# KiCad board phase-control.kicad_pcb (continued)
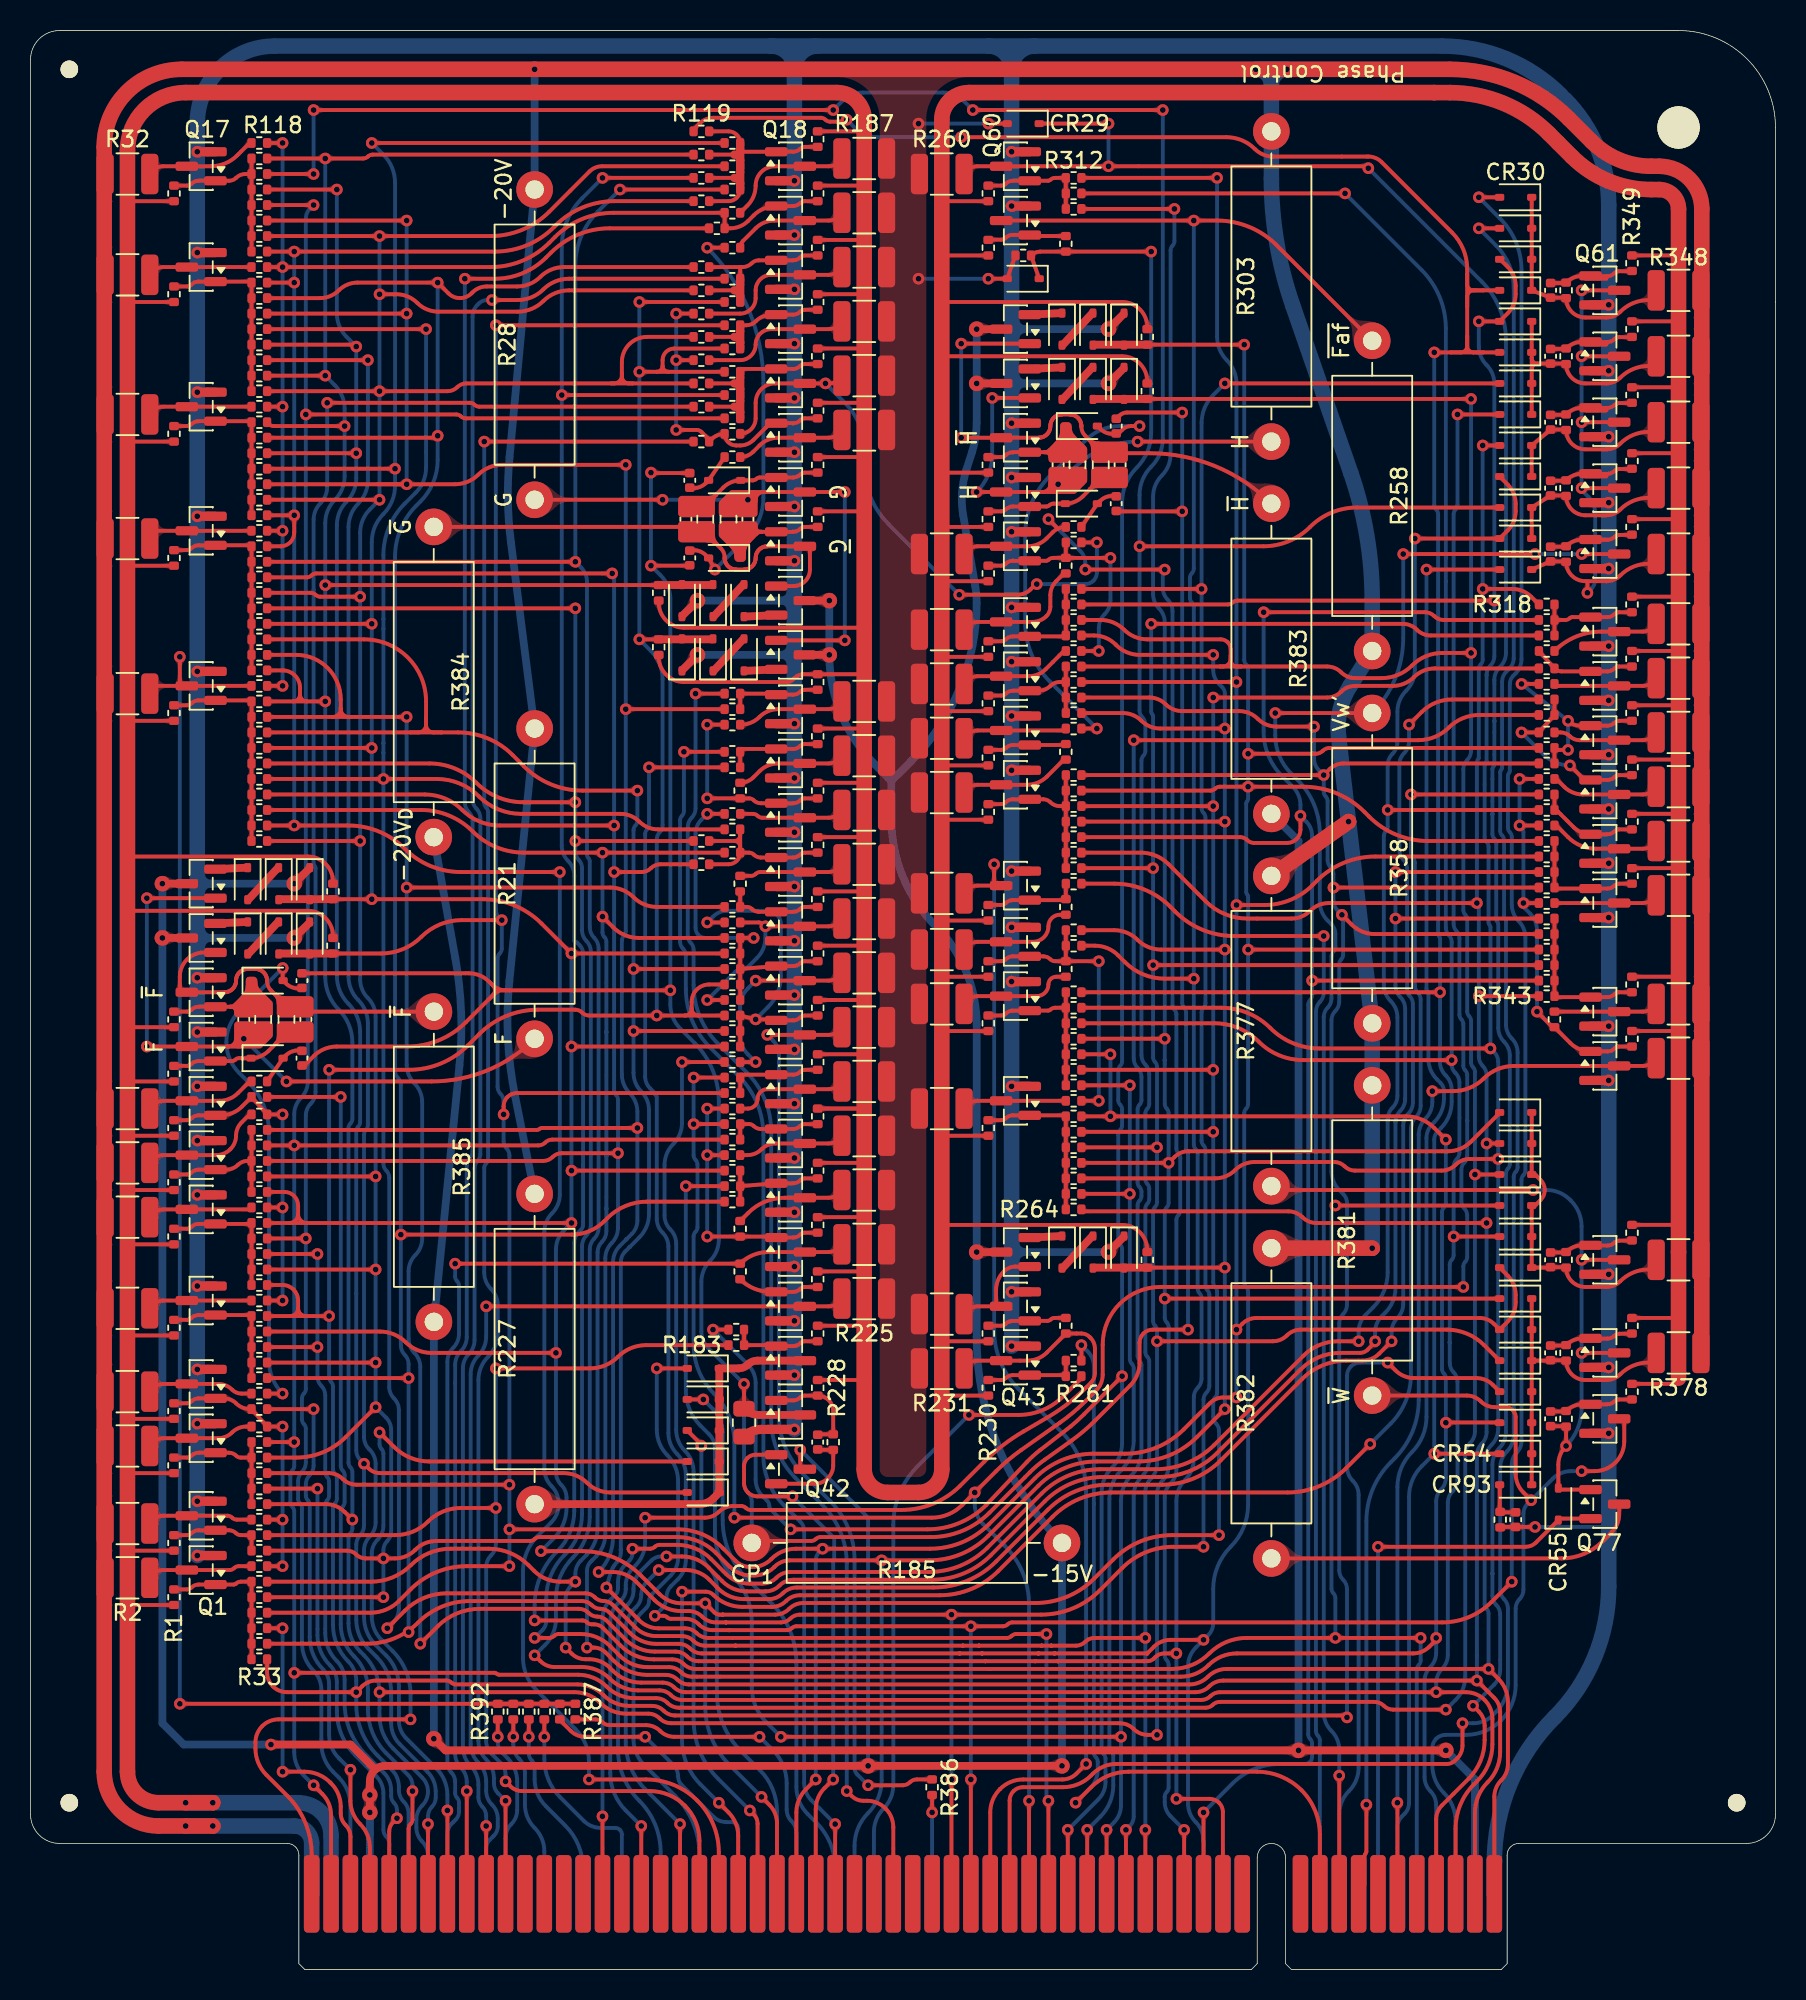
[diagram p0: board, top side]
## Routing (per net, layer and track width the routed paths; a pad name or vN(x,y) marks a point on that pad's centre or on a via; arc(x,y) is an arc through that point) (continued)
G: length 377.9
  Top w0.254: R165.1 44.45,64.52 arc(43.64,64.18) 43.31,63.37 43.31,62.93 ; 43.31,62.93 arc(43.44,62.61) 43.75,62.48 ; 43.31,62.93 arc(43.18,62.61) 42.86,62.48 ; 43.75,62.48 42.86,62.48 ; 43.75,62.48 R167.1 ; 42.86,62.48 v1(41.02,62.48) 36.59,62.48 arc(36.34,62.53) 36.13,62.67 arc(35.92,62.82) 35.67,62.86 33.24,62.86 arc(31.16,62.45) 29.39,61.27 28.64,60.52 arc(26.88,59.34) 24.8,58.93 v1(19.56,58.93) ; v1(84.07,81.41) 81.62,81.41 arc(80.95,81.54) 80.39,81.91 arc(79.83,82.29) 79.16,82.42 75.43,82.42 arc(74.85,82.54) 74.36,82.87 arc(73.87,83.2) 73.29,83.31 R294.1 ; R201.1 39.88,87.12 ; R136.1 42.16,106.17 arc(41.63,105.95) 41.4,105.41 41.4,105.03 ; v1(85.34,70.87) R336.1 ; 41.78,104.65 R138.1 ; 41.78,104.65 41.02,104.65 ; 41.78,104.65 arc(41.51,104.76) 41.4,105.03 ; R339.1 88.05,67.82 arc(87.23,67.98) 86.53,68.45 v1(85.9,69.08) ; 41.02,104.65 v1(39.88,104.65) ; 41.02,104.65 arc(41.29,104.76) 41.4,105.03 ; 18.03,42.8 v1(19.56,42.8) ; 18.03,42.8 17.02,42.8 ; 18.03,42.8 arc(17.67,42.95) 17.53,43.31 ; 17.02,42.8 R55.1 ; 17.02,42.8 arc(17.38,42.95) 17.53,43.31 ; R57.1 16.51,44.83 arc(17.23,44.53) 17.53,43.81 17.53,43.31 ; v1(39.88,109.22) R132.1 ; R290.1 v1(84.71,78.23) 85.09,78.61 arc(85.51,78.89) 86.01,78.99 R328.1 ; v1(86.23,16.51) 86.17,16.57 arc(86.1,16.62) 86.02,16.64 42.23,16.64 arc(41.82,16.72) 41.47,16.95 arc(41.12,17.18) 40.71,17.26 39.23,17.26 arc(38.31,17.45) 37.53,17.97 arc(36.75,18.49) 35.83,18.67 27.86,18.67 arc(27.7,18.7) 27.56,18.8 arc(27.42,18.89) 27.25,18.92 22.64,18.92 arc(22.14,18.83) 21.72,18.54 v1(21.34,18.16) 16.79,18.16 arc(16.29,18.26) 15.88,18.54 arc(15.59,18.96) 15.5,19.46 R33.1
  Top w0.508: R201.1 44.63,87.12
  Bottom w0.254: v1(41.02,62.48) 41.02,74.03 arc(41.07,74.27) 41.21,74.49 arc(41.35,74.7) 41.4,74.95 41.4,84.52 arc(41.2,85.52) 40.64,86.36 v1(39.88,87.12) v1(39.88,104.65) v1(39.88,109.22) ; v1(19.56,58.93) v1(19.56,42.8) 19.56,38.8 arc(19.59,38.63) 19.69,38.49 arc(19.78,38.35) 19.81,38.18 19.81,32.78 arc(19.85,32.61) 19.94,32.47 arc(20.03,32.33) 20.07,32.16 20.07,30.83 arc(20.03,30.66) 19.94,30.52 arc(19.85,30.38) 19.81,30.22 19.81,22.59 arc(20.07,21.28) 20.81,20.17 arc(21.2,19.59) 21.34,18.91 v1(21.34,18.16) 21.34,17.37 arc(21.7,15.56) 22.73,14.02 23.67,13.08 arc(24.01,12.56) 24.13,11.96 24.13,11.75 arc(24.21,11.34) 24.45,10.99 arc(24.68,10.63) 24.77,10.22 24.77,4.95 ; v1(84.07,81.41) 84.07,79.32 arc(84.16,78.9) 84.39,78.55 v1(84.71,78.23) 84.71,77.14 arc(84.74,76.98) 84.84,76.83 arc(84.93,76.69) 84.96,76.53 84.96,72.66 arc(85.01,72.41) 85.15,72.2 arc(85.29,71.99) 85.34,71.74 v1(85.34,70.87) 85.34,70.03 arc(85.42,69.66) 85.62,69.36 v1(85.9,69.08) 85.94,69.04 arc(85.97,69) 85.98,68.94 85.98,66.46 arc(85.95,66.3) 85.85,66.16 arc(85.76,66.02) 85.72,65.85 85.72,63.39 arc(85.66,63.06) 85.47,62.78 arc(85.28,62.5) 85.22,62.17 85.22,52.28 arc(85.35,51.62) 85.73,51.05 85.99,50.79 arc(86.17,50.52) 86.23,50.21 86.23,49.83 86.23,43.54 arc(86.17,43.21) 85.98,42.93 arc(85.79,42.64) 85.73,42.31 85.73,26.14 arc(85.79,25.81) 85.98,25.53 arc(86.17,25.25) 86.23,24.91 v1(86.23,16.51)
Ga: length 153.1
  Top w0.254: v1(21.34,99.31) R98.1 ; v1(26.03,9.52) 26.03,4.95 ; v1(20.07,116.59) R115.1 ; R105.1 21.12,106.43 arc(21.2,106.41) 21.27,106.36 v1(21.34,106.3) ; v1(21.84,33.13) 22.15,32.82 arc(22.49,32.59) 22.89,32.51 34.92,32.51 arc(35.75,32.35) 36.45,31.88 arc(37.15,31.41) 37.98,31.24 CR59.2
  Bottom w0.254: v1(26.03,9.52) 26.03,10.04 arc(26.1,10.37) 26.29,10.65 arc(26.48,10.93) 26.54,11.26 26.54,11.65 arc(26.41,12.35) 26.01,12.93 24.19,14.76 arc(23.77,15.38) 23.62,16.12 23.62,18.18 arc(23.38,19.42) 22.67,20.47 22.12,21.02 arc(21.54,21.89) 21.34,22.92 21.34,27.83 arc(21.4,28.17) 21.59,28.45 arc(21.78,28.73) 21.84,29.06 v1(21.84,33.13) 21.59,33.38 arc(21.4,33.66) 21.34,33.99 21.34,44.27 21.34,54.89 arc(21.37,55.06) 21.46,55.2 arc(21.56,55.34) 21.59,55.51 21.59,61.41 arc(21.39,62.4) 20.83,63.25 arc(20.26,64.09) 20.07,65.08 20.07,94.61 arc(20.23,95.44) 20.7,96.14 arc(21.17,96.84) 21.34,97.67 v1(21.34,99.31) v1(21.34,106.3) 20.7,106.93 arc(20.23,107.64) 20.07,108.47 v1(20.07,116.59)
Gb: length 121.7
  Top w0.254: v1(30.23,109.35) 31.91,109.35 arc(32.82,109.53) 33.59,110.05 arc(34.37,110.56) 35.28,110.74 R130.1 ; v1(29.84,9.4) 29.84,4.95
  Bottom w0.254: v1(30.23,109.35) 29.91,109.35 arc(29.62,109.29) 29.37,109.12 29.27,109.03 arc(29.04,108.68) 28.96,108.26 28.96,76.64 arc(29.02,76.31) 29.21,76.03 arc(29.4,75.75) 29.46,75.42 29.46,53.4 arc(29.41,53.15) 29.27,52.94 arc(29.13,52.73) 29.08,52.48 29.08,41.22 arc(28.98,40.72) 28.7,40.3 arc(28.42,39.88) 28.32,39.38 28.32,14.56 arc(28.45,13.9) 28.83,13.33 arc(29.2,12.77) 29.34,12.11 29.34,11.28 arc(29.4,10.95) 29.59,10.67 arc(29.78,10.39) 29.84,10.05 v1(29.84,9.4)
H: length 403.3
  Top w0.254: R299.1 70.09,88.39 arc(70.92,88.23) 71.63,87.76 arc(72.33,87.29) 73.16,87.12 77.96,87.12 arc(78.21,87.07) 78.42,86.93 arc(78.56,86.72) 78.61,86.47 78.61,86.04 ; 78.61,86.04 78.61,85.85 arc(78.47,85.49) 78.11,85.34 77.91,85.34 ; 78.61,86.04 78.61,85.76 arc(78.73,85.46) 79.02,85.34 79.31,85.34 ; 79.31,85.34 77.91,85.34 ; 79.31,85.34 84.93,85.34 arc(85.43,85.24) 85.85,84.96 arc(86.27,84.68) 86.77,84.58 88.49,84.58 arc(89.57,84.8) 90.49,85.41 arc(91.4,86.02) 92.48,86.23 v1(94.36,86.23) ; 77.91,85.34 R296.1 ; v1(18.54,12.06) 19.11,11.49 arc(19.54,10.86) 19.69,10.11 19.69,4.95 ; v1(18.03,101.85) 27.89,101.85 arc(28.05,101.82) 28.19,101.73 arc(28.33,101.63) 28.5,101.6 R142.1 ; R175.1 34.18,54.36 arc(33.93,54.31) 33.72,54.17 arc(33.51,54.02) 33.26,53.97 v1(17.27,53.97) R66.1 ; v1(18.54,115.57) R114.1 ; R255.1 94.36,102.87 arc(94.36,102.87) 94.36,102.87 v1(94.36,102.87) ; v1(17.27,34.54) R47.1 ; v1(92.71,17.02) 89.26,17.02 arc(88.93,17.08) 88.65,17.27 arc(88.36,17.46) 88.03,17.53 77.9,17.53 arc(77.65,17.48) 77.44,17.34 arc(77.23,17.19) 76.98,17.15 42.48,17.15 arc(42.07,17.23) 41.72,17.46 arc(41.38,17.69) 40.97,17.77 39.57,17.77 arc(38.57,17.97) 37.72,18.54 arc(36.87,19.1) 35.87,19.3 30.7,19.3 arc(30.61,19.32) 30.54,19.37 arc(30.47,19.42) 30.39,19.43 17.28,19.43 arc(17.27,19.43) v1(17.27,19.43) ; v1(94.61,52.07) CR45.2
  Top w0.508: R255.1 69.67,102.87
  Bottom w0.254: v1(92.71,17.02) 93.35,17.65 arc(93.81,18.36) 93.98,19.19 93.98,33.71 arc(94.06,34.13) 94.3,34.48 arc(94.53,34.83) 94.61,35.25 v1(94.61,52.07) 94.61,58.79 arc(94.58,58.96) 94.49,59.1 arc(94.39,59.24) 94.36,59.41 94.36,62.13 arc(94.33,62.3) 94.23,62.44 arc(94.14,62.58) 94.11,62.75 94.11,68.78 arc(94.07,68.95) 93.98,69.09 arc(93.89,69.23) 93.85,69.39 93.85,78.61 arc(93.92,78.94) 94.11,79.22 arc(94.29,79.5) 94.36,79.83 v1(94.36,86.23) v1(94.36,102.87) ; v1(18.54,115.57) 18.29,115.32 arc(18.1,115.03) 18.03,114.7 v1(18.03,101.85) 18.03,72.23 arc(18.05,72.14) 18.1,72.07 arc(18.14,72) 18.16,71.92 18.16,58.16 arc(18.05,57.58) 17.72,57.09 arc(17.39,56.59) 17.27,56.01 v1(17.27,53.97) v1(17.27,34.54) 17.27,32.99 arc(17.24,32.82) 17.14,32.68 arc(17.05,32.54) 17.02,32.37 17.02,30.62 arc(17.05,30.45) 17.14,30.31 arc(17.24,30.17) 17.27,30.01 v1(17.27,19.43) 17.27,14.23 arc(17.44,13.4) 17.91,12.7 v1(18.54,12.06)
ia: length 36.2
  Top w0.254: v1(44.07,37.34) CR57.2
  Bottom w0.254: v1(44.07,37.34) 44.7,36.7 arc(45.17,36) 45.34,35.17 45.34,29.43 arc(45.75,27.35) 46.93,25.58 48.57,23.95 arc(49.75,22.18) 50.16,20.1 50.16,11.97 arc(50.36,11) 50.91,10.18 51.49,9.59 arc(52.39,8.25) 52.7,6.67 52.7,4.95
K: length 329.6
  Top w0.254: R67.1 33.18,54.99 arc(33.27,55.01) 33.34,55.05 arc(33.41,55.1) 33.49,55.12 v1(39.75,55.12) ; 45.55,22.73 44.9,22.73 arc(44.41,22.83) 44,23.1 arc(43.59,23.38) 43.1,23.48 42.61,23.48 arc(41.67,23.66) 40.87,24.2 39.68,25.39 arc(38.96,25.87) 38.12,26.03 v1(37.21,26.03) ; 45.55,22.73 45.55,22.73 ; 45.55,22.73 45.55,22.73 ; 45.55,22.73 45.55,22.73 ; 45.55,22.73 arc(45.55,22.73) 45.55,22.73 ; 22.73,97.28 R96.1 ; 22.73,97.28 24,97.28 ; 22.73,97.28 24,97.28 ; v1(24.64,114.55) R113.1 ; v1(78.23,103.89) CR36.2 ; v1(38.99,82.55) R149.1 ; 24,97.28 v1(24.64,97.28) ; 24,97.28 27.8,97.28 arc(28.63,97.45) 29.34,97.92 arc(30.04,98.39) 30.87,98.55 v1(38.99,98.55) ; v1(76.71,90.42) R301.1 ; v1(76.83,27.69) 74.87,27.69 arc(73.05,27.32) 71.51,26.29 70.05,24.83 arc(68.28,23.66) 66.2,23.24 v1(60.33,23.24) 50.39,23.24 arc(50.06,23.17) 49.78,22.99 arc(49.5,22.8) 49.16,22.73 45.55,22.73 ; v1(60.33,12.45) 60.33,4.95 ; v1(24.64,108.46) R107.1
  Bottom w0.254: v1(24.64,108.46) v1(24.64,114.55) ; v1(24.64,108.46) v1(24.64,97.28) ; v1(24.64,108.46) 24.64,108.33 ; v1(78.23,103.89) 77.47,103.12 arc(76.91,102.28) 76.71,101.28 v1(76.71,90.42) 76.71,76.06 arc(76.74,75.9) 76.83,75.76 arc(76.93,75.62) 76.96,75.45 76.96,63.3 arc(76.93,63.13) 76.83,62.99 arc(76.74,62.85) 76.71,62.69 76.71,54.28 arc(76.74,54.12) 76.83,53.97 arc(76.93,53.83) 76.96,53.67 76.96,44.8 arc(77,44.63) 77.09,44.49 arc(77.18,44.35) 77.22,44.19 77.22,38.24 arc(77.17,37.99) 77.03,37.78 arc(76.88,37.57) 76.83,37.32 v1(76.83,27.69) ; v1(60.33,23.24) v1(60.33,12.45) ; v1(38.99,98.55) v1(38.99,82.55) 38.99,68 arc(38.96,67.83) 38.86,67.69 arc(38.77,67.55) 38.73,67.38 38.73,58.63 arc(38.87,57.97) 39.24,57.4 arc(39.62,56.84) 39.75,56.18 v1(39.75,55.12) 39.75,49.05 arc(39.66,48.58) 39.39,48.18 38.59,47.39 arc(38.27,46.9) 38.16,46.33 38.16,28.32 arc(37.91,27.08) v1(37.21,26.03) 37.21,26.12 arc(37.23,26.2) 37.27,26.26
K': length 78.2
  Top w0.254: v1(69.14,13.46) 68.51,12.83 arc(68.09,12.55) 67.59,12.45 65.02,12.45 arc(64.2,12.28) 63.51,11.82 63.5,11.81 arc(63.03,11.11) 62.86,10.28 62.86,4.95 ; Q49.3 62.02,70.99 arc(61.69,70.93) 61.41,70.74 R242.2 ; v1(63.12,72.39) 63.12,70.99
  Bottom w0.254: v1(69.14,13.46) 69.14,31.34 arc(68.73,33.43) 67.55,35.19 64.71,38.03 arc(63.53,39.8) 63.12,41.88 v1(63.12,72.39)
Kc: length 153.6
  Top w0.254: 92.08,4.95 92.08,9.83 arc(92.17,10.33) 92.46,10.75 94.2,12.5 arc(94.98,13.66) 95.25,15.03 95.25,15.97 arc(95.15,16.47) 94.87,16.89 v1(94.49,17.27) ; v1(70.61,120.9) CR29.1 ; R260.2 61.41,117.86 arc(61.69,118.04) 62.02,118.11 Q60.3 87.41,118.11 arc(87.5,118.09) 87.57,118.05 v1(87.63,117.98)
  Bottom w0.254: 95.89,81.76 95.89,78.93 arc(95.87,78.85) 95.82,78.78 arc(95.77,78.71) 95.76,78.62 95.76,74.37 arc(95.79,74.21) 95.89,74.07 arc(95.98,73.93) 96.01,73.76 96.01,68.79 arc(96.03,68.7) 96.08,68.63 arc(96.12,68.56) 96.14,68.48 96.14,61.69 arc(96.24,61.19) 96.52,60.77 arc(96.8,60.35) 96.9,59.85 96.9,52.76 arc(96.87,52.59) 96.77,52.45 arc(96.68,52.31) 96.65,52.14 96.65,35.21 arc(96.53,34.63) 96.2,34.14 arc(95.87,33.65) 95.76,33.07 95.76,24.49 arc(95.82,24.16) 96.01,23.88 arc(96.2,23.59) 96.27,23.26 96.27,20.31 96.27,19.64 arc(96.16,19.09) 95.85,18.64 v1(94.49,17.27) ; 95.89,81.76 95.89,84.48 arc(95.97,84.91) 96.21,85.27 96.27,85.33 arc(96.55,85.75) 96.65,86.24 96.65,106.71 arc(96.23,108.79) 95.05,110.56 v1(87.63,117.98) ; 95.89,81.76 95.89,81.76 arc(95.89,81.76) 95.89,81.76 ; v1(70.61,120.9) v1(70.61,118.11)
P1: length 31.3
  Top w0.254: v1(18.8,31.5) R44.1
  Bottom w0.254: v1(18.8,31.5) 18.8,22.3 18.8,21.89 arc(19.01,20.83) 19.6,19.94 arc(19.95,19.43) 20.07,18.82 20.07,16.94 arc(20.38,15.37) 21.27,14.04 22.65,12.66 arc(22.99,12.14) 23.11,11.53 23.11,9.16 arc(23.16,8.91) 23.3,8.7 arc(23.45,8.49) 23.49,8.24 23.49,4.95
P1b: length 62.8
  Top w0.254: CR60.2 26.11,33.27 arc(24.87,33.52) 23.81,34.23 v1(22.86,35.18) ; 18.41,4.95 18.41,7.53 arc(18,9.61) 16.82,11.37 15.45,12.74 arc(14.92,13.54) 14.73,14.48 14.73,14.87 arc(14.85,15.45) 15.18,15.94 arc(15.67,16.27) 16.25,16.38 v1(24.89,16.38)
  Bottom w0.254: v1(24.89,16.38) 24.89,18.03 arc(24.59,19.56) 23.72,20.85 22.99,21.59 arc(22.52,22.29) 22.35,23.13 22.35,24.02 22.35,27.23 arc(22.45,27.73) 22.73,28.15 arc(23.01,28.58) 23.11,29.07 23.11,33.79 arc(23.08,33.96) 22.99,34.1 arc(22.89,34.24) 22.86,34.41 v1(22.86,35.18)
P4: length 85.9
  Top w0.254: v1(53.47,11.68) 53.78,11.37 arc(54.14,11.13) 54.55,11.05 54.8,11.05 arc(55.45,10.92) 55.99,10.56 56.01,10.54 arc(56.38,9.98) 56.52,9.31 56.52,4.95 ; v1(43.56,83.57) R148.1
  Bottom w0.254: v1(53.47,11.68) 53.47,26.58 arc(53.05,28.66) 51.87,30.42 50.11,32.19 arc(48.93,33.95) 48.51,36.04 48.51,54.9 arc(48.1,56.98) 46.92,58.74 45.03,60.64 arc(43.85,62.4) 43.43,64.48 43.43,66.79 arc(43.38,67.04) 43.24,67.25 arc(43.1,67.46) 43.05,67.71 43.05,74.82 arc(43.12,75.16) 43.31,75.44 arc(43.49,75.72) 43.56,76.05 v1(43.56,83.57)
P5a: length 39.3
  Top w0.254: v1(41.02,39.37) CR58.2
  Bottom w0.254: 43.81,4.95 43.81,7.53 arc(43.4,9.61) 42.22,11.37 40.18,13.42 arc(39.67,14.17) 39.5,15.06 39.5,22.13 arc(39.63,22.79) 40,23.35 40.33,23.68 arc(40.47,23.88) 40.51,24.12 arc(40.56,24.36) 40.7,24.57 41.94,25.81 arc(42.29,26.34) 42.42,26.97 42.42,31.99 arc(42.24,32.9) 41.72,33.68 arc(41.2,34.45) 41.02,35.36 v1(41.02,39.37)
P6: length 80.9
  Top w0.254: v1(42.8,79.76) R151.1 ; v1(52.7,9.52) 52.7,4.95
  Bottom w0.254: v1(42.8,79.76) 42.8,75.87 arc(42.77,75.71) 42.67,75.57 arc(42.58,75.42) 42.55,75.26 42.55,67.33 arc(42.59,67.08) 42.74,66.87 arc(42.88,66.65) 42.93,66.41 42.93,64.23 arc(43.34,62.15) 44.52,60.38 46.41,58.49 arc(47.59,56.72) 48.01,54.64 48.01,33.64 arc(48.35,31.89) 49.34,30.42 50.43,29.32 arc(50.61,29.06) 50.67,28.74 50.67,12.99 50.67,12.24 arc(50.8,11.61) 51.15,11.08 v1(52.7,9.52)
P6a: length 32.2
  Top w0.254: CR56.2 43.91,34.42 arc(43.93,34.38) 43.94,34.34 v1(43.94,34.29)
  Bottom w0.254: 48.89,4.95 48.89,10.36 arc(48.61,11.82) 47.78,13.05 46.55,14.28 arc(45.37,16.05) 44.96,18.13 44.96,25.06 arc(44.83,25.73) 44.45,26.29 arc(44.07,26.85) 43.94,27.52 v1(43.94,34.29)
Q1: length 203.3
  Top w0.254: 94.11,106.98 94.11,106.33 arc(94.23,106.04) 94.52,105.92 95.17,105.92 ; 94.11,106.98 94.11,106.32 arc(93.99,106.04) 93.7,105.92 93.04,105.92 ; 94.11,106.98 94.11,108.92 ; 94.11,108.92 94.11,111.04 ; 94.11,108.92 94.11,109.56 arc(94.23,109.86) 94.53,109.98 95.17,109.98 ; 94.11,111.04 94.11,111.38 arc(93.85,112.67) 93.12,113.76 88.49,118.39 arc(88.1,118.65) 87.64,118.74 85.88,118.74 81.4,118.74 arc(80.75,118.87) 80.2,119.24 arc(79.34,119.81) 78.33,120.01 v1(60.96,120.01) ; 94.11,111.04 94.11,110.37 arc(94.22,110.1) 94.5,109.98 95.17,109.98 ; 95.17,109.98 CR33.2 ; 95.17,105.92 CR35.2 ; 95.17,105.92 93.04,105.92 ; v1(92.33,64.01) 84.77,64.01 arc(84.77,64.01) 84.77,64.01 84.14,64.01 arc(84.14,64.01) 84.14,64.01 R278.1 ; 93.04,105.92 v1(91.95,105.92) ; v1(53.46,121.16) 53.4,121.1 arc(53.33,121.05) 53.24,121.03 52.38,121.03 arc(52.21,121.06) 52.07,121.16 arc(51.93,121.25) 51.76,121.28 44.74,121.28 arc(44.24,121.19) 43.81,120.9 43.48,120.57 arc(43.44,120.52) 43.43,120.46 R119.1 ; v1(91.95,33.78) CR54.2
  Bottom w0.254: v1(60.96,120.01) 55.42,120.01 arc(54.67,120.16) 54.04,120.59 v1(53.46,121.16) ; v1(91.95,105.92) 91.95,95.94 arc(91.98,95.77) 92.08,95.63 arc(92.17,95.49) 92.2,95.32 92.2,67.82 arc(92.22,67.74) 92.27,67.67 arc(92.31,67.6) 92.33,67.52 v1(92.33,64.01) 92.33,60.48 arc(92.33,60.47) 92.32,60.46 arc(92.31,60.45) 92.31,60.44 92.31,59.5 arc(92.41,58.99) 92.7,58.56 arc(92.99,58.12) 93.09,57.61 93.09,56.82 arc(92.91,55.89) 92.38,55.1 92.17,54.89 arc(92.01,54.65) 91.95,54.36 v1(91.95,33.78) 91.12,32.96 arc(90.51,32.04) 90.3,30.96 90.3,10.89 arc(90.22,10.52) 90.02,10.21 89.83,10.03 arc(89.61,9.7) 89.54,9.31 89.54,4.95
Q2: length 347.2
  Top w0.254: 61.07,21.21 44.18,21.21 arc(43.77,21.29) 43.43,21.52 arc(43.08,21.75) 42.67,21.84 40.99,21.84 arc(40.24,21.98) 39.61,22.41 38.13,23.89 arc(37.86,24.07) 37.55,24.13 arc(37.24,24.19) 36.97,24.37 36.96,24.38 arc(36.68,24.57) 36.34,24.64 27.27,24.64 arc(25.78,24.34) 24.51,23.49 v1(23.37,22.35) ; 61.07,21.21 61.07,21.21 ; 61.07,21.21 61.07,21.21 ; 61.07,21.21 61.07,21.21 ; 61.07,21.21 arc(61.07,21.21) 61.07,21.21 ; R155.1 41.1,74.68 arc(40.44,74.81) 39.88,75.18 arc(39.32,75.56) 38.65,75.69 32.13,75.69 arc(30.64,75.99) 29.37,76.83 arc(28.11,77.68) 26.61,77.98 v1(23.11,77.98) R77.1 ; v1(73.41,88.14) 89.89,88.14 arc(90.38,88.04) 90.8,87.76 arc(91.23,87.48) 91.72,87.38 R320.1 ; v1(73.79,53.85) R268.1 ; 62.12,21.21 66.23,21.21 ; 62.12,21.21 62.12,21.21 ; 62.12,21.21 62.12,21.21 ; 62.12,21.21 62.12,21.21 ; 62.12,21.21 arc(62.12,21.21) 62.12,21.21 ; 66.23,21.21 66.23,21.21 ; 66.23,21.21 66.23,21.21 ; 66.23,21.21 66.23,21.21 ; 66.23,21.21 arc(66.23,21.21) 66.23,21.21 ; 66.86,21.21 66.86,21.21 ; 66.86,21.21 66.86,21.21 ; 66.86,21.21 68.47,21.21 arc(68.81,21.28) 69.09,21.46 arc(69.37,21.65) 69.7,21.72 v1(73.02,21.72) ; 66.86,21.21 66.86,21.21 ; 66.86,21.21 arc(66.86,21.21) 66.86,21.21 ; 66.86,21.21 66.23,21.21 ; v1(73.79,41.15) 81.38,41.15 arc(81.87,41.25) 82.3,41.53 arc(82.72,41.81) 83.22,41.91 92.76,41.91 arc(94.09,41.65) 95.22,40.89 CR51.2 ; v1(73.02,9.14) 73.02,4.95 ; v1(25.91,107.44) R106.1 ; 61.07,21.21 62.12,21.21 ; v1(73.53,65.79) R341.1 ; v1(73.53,72.14) R284.1
  Bottom w0.254: v1(73.02,21.72) 73.02,31.25 arc(73.12,31.75) 73.41,32.17 arc(73.69,32.6) 73.79,33.09 v1(73.79,41.15) 73.79,41.86 arc(73.75,42.02) 73.66,42.16 arc(73.57,42.3) 73.53,42.47 73.53,49.63 arc(73.57,49.8) 73.66,49.94 arc(73.75,50.08) 73.79,50.24 v1(73.79,53.85) 73.79,59.13 arc(73.75,59.3) 73.66,59.44 arc(73.57,59.58) 73.53,59.74 v1(73.53,65.79) v1(73.53,72.14) 73.53,82.08 arc(73.52,82.16) 73.47,82.23 arc(73.42,82.3) 73.41,82.39 v1(73.41,88.14) ; v1(73.02,21.72) 72.77,21.72 ; v1(73.02,21.72) v1(73.02,9.14) ; v1(25.91,107.44) 25.91,99.38 25.91,98.36 arc(25.73,97.48) 25.23,96.74 24.51,96.01 arc(23.48,94.46) 23.11,92.64 23.11,88.45 23.11,80.33 v1(23.11,77.98) 23.11,52.78 arc(23.16,52.53) 23.3,52.32 arc(23.45,52.11) 23.49,51.86 23.49,38.17 arc(23.58,37.75) 23.81,37.4 arc(24.05,37.05) 24.13,36.63 24.13,23.65 arc(24.03,23.16) 23.75,22.73 v1(23.37,22.35)
Q3: length 229
  Top w0.254: 62.87,19.69 62.87,19.68 ; 62.87,19.69 62.75,19.69 43.55,19.69 arc(43.14,19.77) 42.79,20 arc(42.45,20.23) 42.04,20.31 40.83,20.31 arc(39.65,20.55) 38.65,21.22 37.5,22.37 arc(37.23,22.54) 36.92,22.61 36.76,22.61 arc(36.59,22.64) 36.45,22.73 arc(36.31,22.83) 36.15,22.86 v1(33.02,22.86) ; 62.87,19.69 62.87,19.68 ; 62.87,19.69 62.87,19.68 ; 62.87,19.69 arc(62.87,19.69) 62.87,19.68 ; 62.87,19.68 74.76,19.68 arc(76.09,19.95) 77.22,20.7 arc(78.34,21.45) 79.67,21.72 v1(91.06,21.72) ; v1(37.47,117.35) R123.1 ; v1(85.47,50.04) CR46.2 ; v1(34.8,103.12) R140.1
  Bottom w0.254: v1(91.06,21.72) 91.06,20.25 arc(91.03,20.08) 90.93,19.94 arc(90.84,19.8) 90.8,19.63 90.8,4.95 ; v1(85.47,21.72) 85.47,24.33 arc(85.44,24.5) 85.34,24.64 arc(85.25,24.78) 85.22,24.94 85.22,49.6 arc(85.25,49.77) 85.34,49.91 v1(85.47,50.04) ; v1(33.02,22.86) 33.02,23.85 arc(33.4,25.75) 34.48,27.37 34.53,27.42 arc(35.34,28.62) 35.62,30.04 35.62,47.59 arc(35.69,47.97) 35.91,48.29 36.05,48.43 arc(36.16,48.6) 36.19,48.79 36.19,48.99 36.19,66.55 arc(36.14,66.84) 35.97,67.09 35.8,67.26 arc(35.74,67.3) 35.68,67.31 arc(35.64,67.33) 35.62,67.38 35.62,71.63 arc(35.51,72.16) 35.21,72.62 arc(34.9,73.07) 34.8,73.6 v1(34.8,103.12) 34.8,112.8 arc(35.14,114.54) 36.13,116.01 v1(37.47,117.35)
Q4: length 206.2
  Top w0.254: CR40.2 86.89,95.76 arc(85.23,95.43) 83.82,94.49 arc(82.41,93.55) 80.75,93.22 v1(72.64,93.22) ; v1(71.76,9.14) 71.76,4.95 ; v1(18.54,117.6) R116.1 ; v1(18.54,121.79) v1(52.58,121.79) ; v1(61.72,121.79) v1(74.17,121.79)
  Bottom w0.254: v1(74.17,121.79) 74.17,100.26 arc(73.97,99.27) 73.41,98.42 arc(72.84,97.58) 72.64,96.59 v1(72.64,93.22) 72.64,82.47 arc(72.69,82.22) 72.83,82.01 arc(72.98,81.8) 73.02,81.55 73.02,79.81 arc(72.99,79.64) 72.9,79.5 arc(72.8,79.36) 72.77,79.2 72.77,59.88 arc(72.84,59.55) 73.02,59.27 arc(73.21,58.98) 73.28,58.65 73.28,56.69 arc(73.25,56.52) 73.15,56.38 arc(73.06,56.24) 73.02,56.07 73.02,51.76 arc(73.06,51.59) 73.15,51.45 arc(73.25,51.31) 73.28,51.15 73.28,50.45 arc(73.25,50.29) 73.15,50.15 arc(73.06,50.01) 73.02,49.84 73.02,40.44 arc(73.06,40.27) 73.15,40.13 arc(73.25,39.99) 73.28,39.83 73.28,33.48 arc(73.15,32.82) 72.77,32.26 arc(72.4,31.7) 72.26,31.03 72.26,10.01 arc(72.2,9.68) 72.01,9.4 v1(71.76,9.14) ; v1(61.72,121.79) 61.15,122.36 arc(60.52,122.79) 59.77,122.94 54.53,122.94 arc(53.78,122.79) 53.15,122.36 v1(52.58,121.79) ; v1(18.54,121.79) v1(18.54,117.6)
R: length 166.4
  Top w0.254: v1(70.48,9.14) 70.48,4.95 ; R325.1 94.89,82.17 arc(93.81,81.95) 92.9,81.34 arc(91.99,80.73) 90.91,80.52 v1(72.26,80.52) ; v1(49.15,15.24) v1(71.43,15.24) ; v1(42.93,51.31) R178.1
  Bottom w0.254: v1(70.48,9.14) 70.96,9.62 arc(71.31,10.14) 71.43,10.76 71.43,30.73 arc(71.61,31.61) 72.1,32.35 arc(72.6,33.09) 72.77,33.97 72.77,39.58 arc(72.74,39.75) 72.64,39.89 arc(72.55,40.03) 72.52,40.19 72.52,50.05 arc(72.55,50.22) 72.64,50.36 arc(72.74,50.5) 72.77,50.66 72.77,50.94 arc(72.74,51.1) 72.64,51.24 arc(72.55,51.38) 72.52,51.55 72.52,56.34 arc(72.55,56.5) 72.64,56.64 arc(72.74,56.78) 72.77,56.95 72.77,58.44 arc(72.7,58.77) 72.52,59.05 arc(72.33,59.34) 72.26,59.67 v1(72.26,80.52) ; v1(42.93,51.31) 42.93,37.92 arc(43.17,36.68) 43.88,35.62 44.46,35.05 arc(44.73,34.63) 44.83,34.14 44.83,28.63 arc(45.14,27.05) 46.04,25.72 arc(46.93,24.38) 47.24,22.8 47.24,18.49 arc(47.49,17.25) 48.2,16.19 v1(49.15,15.24)
r1: length 67.7
  Top w0.254: v1(27.81,46.23) 28.19,46.23 arc(28.19,46.23) 28.19,46.23 arc(28.2,46.23) 28.2,46.23 R181.1 arc(47.32,46.79) 48.32,46.99 Q38.3 52.28,46.99 arc(52.61,47.06) 52.89,47.24 R223.2
  Bottom w0.254: 27.3,4.95 27.3,8.86 arc(27.38,9.24) 27.6,9.56 27.85,9.82 arc(28.01,10.06) 28.07,10.33 28.07,10.93 arc(28.03,11.1) 27.94,11.24 arc(27.85,11.38) 27.81,11.55 27.81,12.3 arc(27.75,12.63) 27.56,12.91 arc(27.37,13.19) 27.3,13.52 27.31,39.8 arc(27.4,40.3) 27.69,40.72 arc(27.97,41.14) 28.07,41.64 28.07,44.78 arc(28.03,44.94) 27.94,45.08 arc(27.85,45.23) 27.81,45.39 v1(27.81,46.23)
Rw': length 69.2
  Top w0.254: v1(91.82,57.53) 93.19,57.53 arc(94.27,57.75) 95.19,58.36 arc(96.1,58.97) 97.18,59.18 Q73.3 105.62,59.18 arc(105.95,59.25) 106.23,59.44 R374.2 ; 86.99,4.95 87.19,5.14 arc(87.33,5.35) 87.38,5.6 87.38,7.42 arc(87.39,7.5) 87.44,7.57 arc(87.49,7.64) 87.5,7.73 v1(87.5,10.79)
  Bottom w0.254: v1(87.5,10.79) 87.5,29.37 arc(87.92,31.45) 89.1,33.22 89.34,33.46 arc(90.52,35.22) 90.93,37.31 90.93,54.66 arc(91.05,55.24) 91.38,55.74 arc(91.71,56.23) 91.82,56.81 v1(91.82,57.53)
S1: length 54.8
  Top w0.254: R262.1 68.84,39.88 arc(68.83,39.88) 68.83,39.88 v1(68.83,40.89) ; 84.45,4.95 84.45,8.83 arc(84.14,10.41) 83.25,11.75 arc(81.91,12.64) 80.34,12.95 71.92,12.95 arc(70.59,12.69) 69.47,11.94 v1(68.45,10.92)
  Bottom w0.254: v1(68.45,10.92) 69.41,11.88 arc(69.78,12.43) 69.91,13.08 69.91,13.6 arc(69.87,13.76) 69.78,13.9 arc(69.69,14.05) 69.65,14.21 69.65,39.5 arc(69.55,40.03) 69.24,40.48 v1(68.83,40.89)
S3: length 41.8
  Top w0.254: v1(61.47,36.32) 64.71,36.32 arc(66.29,36.64) 67.63,37.53 68.79,38.69 arc(68.82,38.74) 68.84,38.8 R261.1
  Bottom w0.254: v1(61.47,36.32) 58.11,32.96 arc(56.93,31.2) 56.52,29.12 56.52,12.07 arc(56.35,11.24) 55.88,10.54 arc(55.41,9.84) 55.24,9.01 55.24,4.95
T3: length 422.8
  Top w0.254: v1(78.23,75.18) R287.1 ; R46.1 17.4,33.53 arc(19.16,33.88) 20.65,34.87 v1(22.61,36.83) ; 38.04,103.89 28.55,103.89 arc(28.22,103.82) 27.94,103.63 arc(27.66,103.44) 27.33,103.38 v1(22.86,103.38) R102.1 ; 38.04,103.89 39.43,103.89 ; 38.04,103.89 38.22,103.89 arc(38.58,104.04) 38.73,104.4 38.73,104.58 ; R40.1 20.72,27.43 arc(21.05,27.37) 21.34,27.18 arc(21.62,26.99) 21.95,26.92 v1(23.11,26.92) 23.88,26.92 arc(24.58,27.06) 25.18,27.46 25.21,27.5 arc(25.84,27.92) 26.59,28.07 32.71,28.07 arc(32.88,28.1) 33.02,28.19 arc(33.16,28.29) 33.33,28.32 42.38,28.32 arc(43.75,28.05) 44.9,27.28 45.8,26.38 arc(46.44,25.96) 47.19,25.81 47.4,25.81 arc(48.11,25.95) 48.71,26.35 48.75,26.39 arc(49.2,26.69) 49.74,26.8 v1(55.75,26.8) 58.88,26.8 arc(60.96,27.21) 62.72,28.39 66.01,31.68 arc(67.78,32.86) 69.86,33.27 72.55,33.27 arc(74.63,33.69) 76.4,34.87 v1(78.23,36.7) ; v1(23.11,24.38) R37.1 ; 39.43,103.89 R139.1 ; 39.43,103.89 39.19,103.89 arc(38.87,104.02) 38.73,104.34 38.73,104.58 ; v1(22.61,39.75) R52.1 ; v1(22.61,51.94) R64.1 ; v1(22.61,45.85) R58.1 ; v1(78.23,81.28) 74,81.28 arc(73.33,81.41) 72.77,81.79 arc(72.21,82.16) 71.54,82.3 R293.1 ; 38.73,104.58 38.73,105.28 arc(39.22,106.45) 40.39,106.93 R135.1 ; v1(78.23,66.8) 74.05,66.8 arc(73.22,66.97) 72.52,67.44 arc(71.81,67.91) 70.98,68.07 R281.1 ; R131.1 35.28,109.98 arc(34.37,109.8) 33.59,109.28 arc(32.82,108.77) 31.91,108.58 26.72,108.58 arc(25.97,108.73) 25.34,109.16 arc(24.7,109.58) 23.96,109.73 v1(22.86,109.73) ; v1(21.59,89.92) 18.98,89.92 arc(18.81,89.95) 18.67,90.04 arc(18.53,90.14) 18.36,90.17 R89.1 ; R298.1 69.66,87.38 arc(70.42,87.22) 71.07,86.79 71.12,86.74 arc(71.82,86.27) 72.65,86.11 v1(77.47,86.11) ; v1(22.86,96.27) R95.1 ; R122.1 37.44,118.11 arc(36.99,118.02) 36.61,117.77 35.36,116.52 33.98,115.13 arc(32.21,113.95) 30.13,113.54 v1(22.86,113.54) R112.1 ; v1(21.59,73.91) R73.1 ; v1(78.23,45.97) R234.1
  Top w0.508: R234.1 69.67,45.97
  Bottom w0.254: v1(78.23,36.7) v1(78.23,45.97) v1(78.23,66.8) v1(78.23,75.18) v1(78.23,81.28) 78.23,83.57 arc(78.19,83.8) 78.06,84 77.85,84.2 arc(77.57,84.62) 77.47,85.12 v1(77.47,86.11) ; v1(23.11,24.38) v1(23.11,26.92) 23.11,27.45 arc(23.18,27.79) 23.37,28.07 arc(23.56,28.35) 23.62,28.68 23.62,35.34 arc(23.54,35.78) 23.29,36.15 v1(22.61,36.83) v1(22.61,39.75) v1(22.61,45.85) v1(22.61,51.94) 22.61,62.4 arc(22.47,63.06) 22.1,63.63 arc(21.72,64.19) 21.59,64.85 v1(21.59,73.91) v1(21.59,89.92) 21.59,94.1 arc(21.76,94.93) 22.23,95.63 v1(22.86,96.27) v1(22.86,103.38) v1(22.86,109.73) v1(22.86,113.54) ; 53.98,4.95 53.98,8.1 arc(54.21,9.26) 54.86,10.24 arc(55.52,11.23) 55.75,12.39 v1(55.75,26.8)
